# Altium PCB Penguin_Base.PcbDoc
Units mm, origin at the board's own origin, x right, y up, seen from the top; angles counter-clockwise.
Board outline 63 x 32 mm, 2 copper layers (Top Layer, Bottom Layer); 13 components, 30 nets, 72 pads, 0 vias.
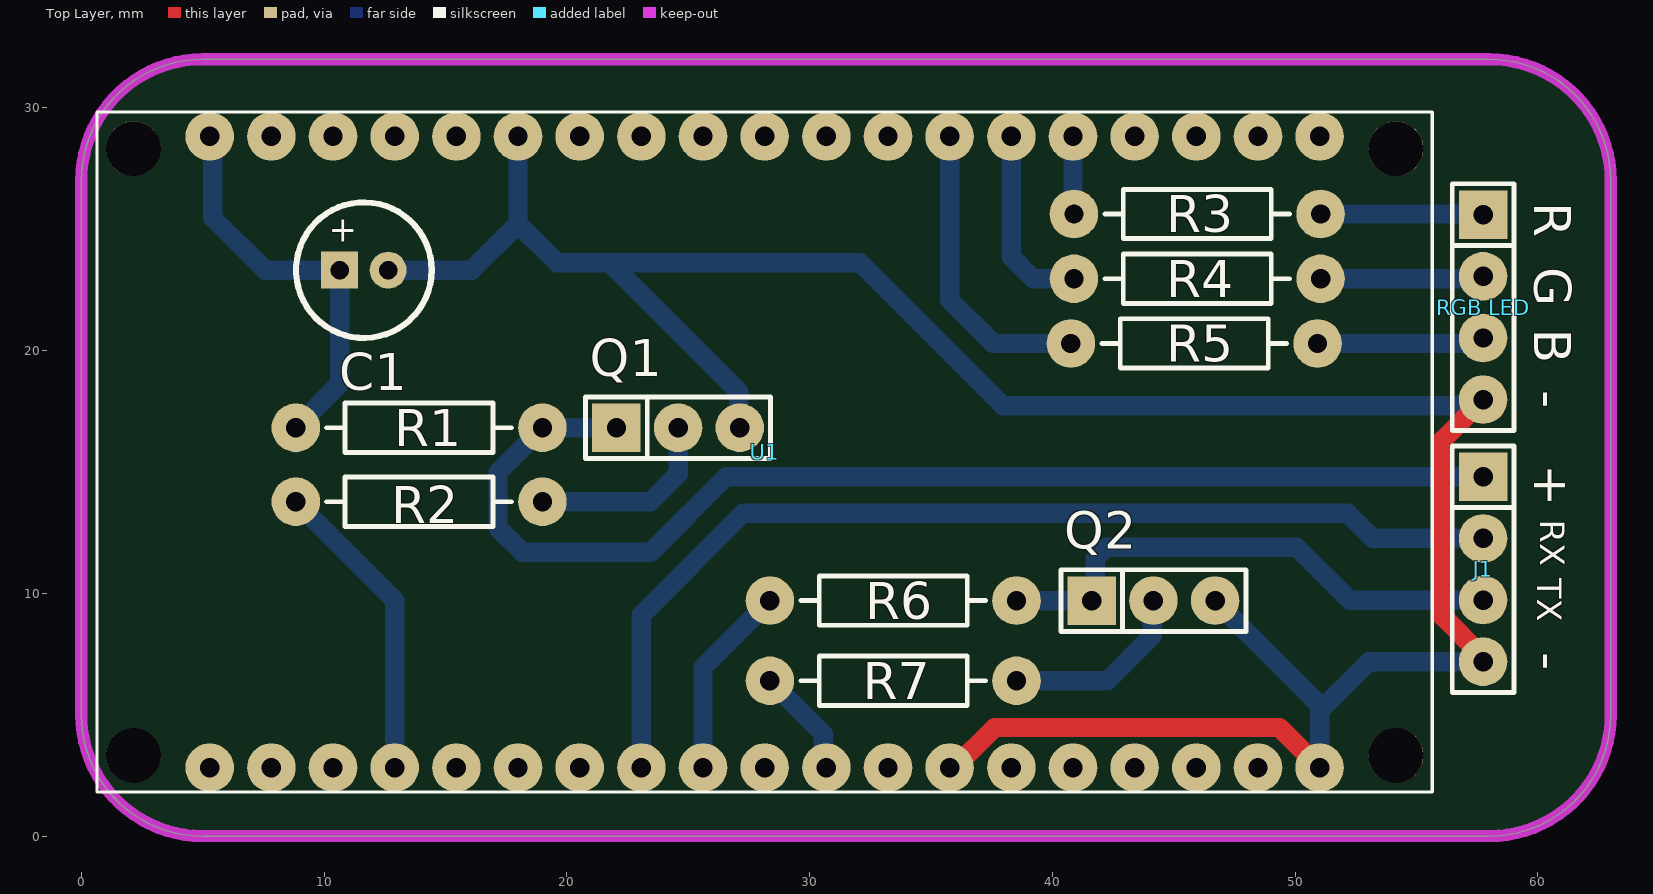
[diagram p0: Top Layer view]
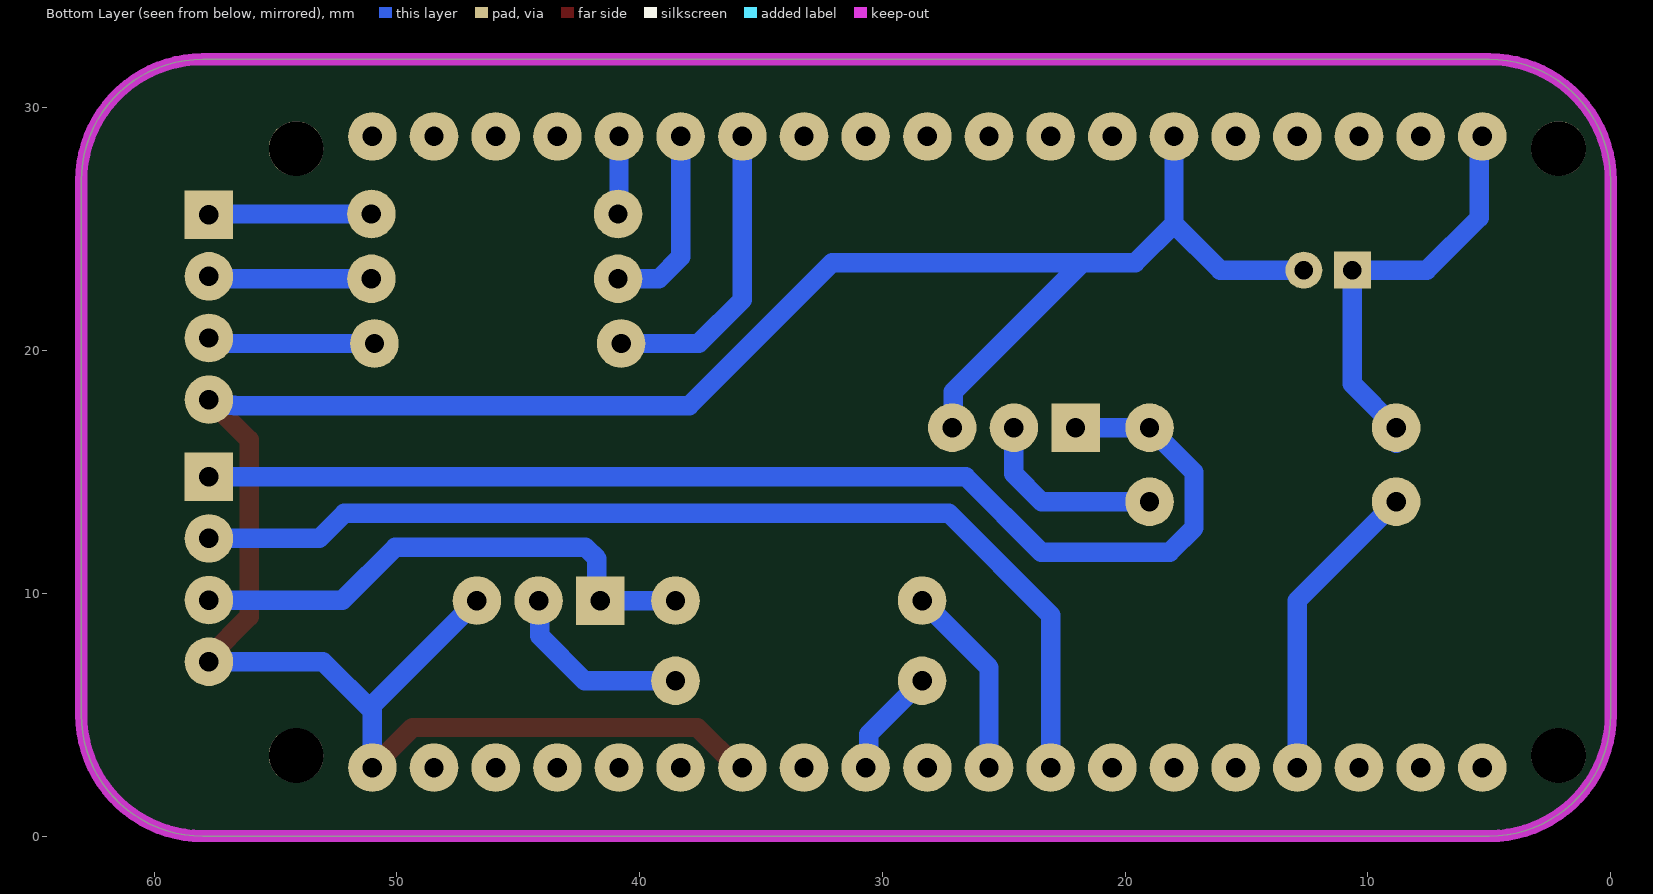
[diagram p1: Bottom Layer view, seen from below]
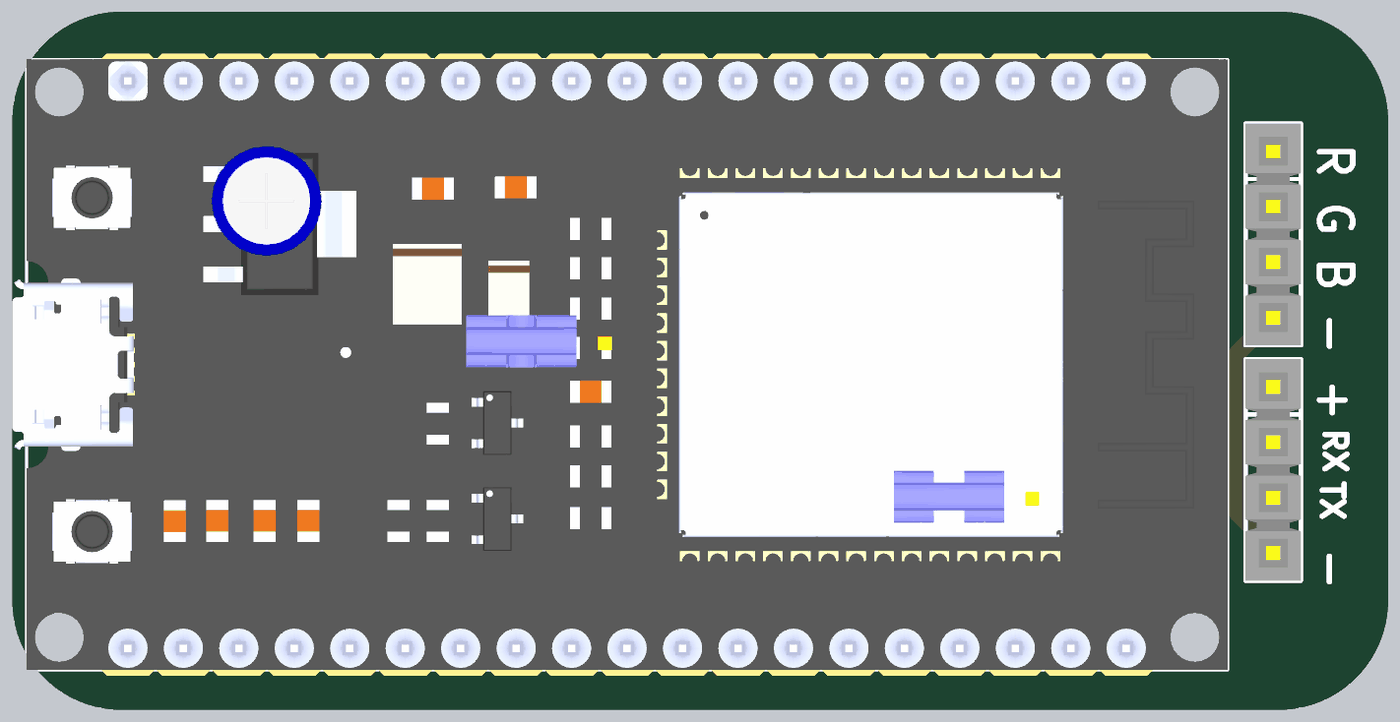
[diagram p2: 3D render of the assembled board from above, using the file's embedded part models]

## Layer stack, top to bottom
Top Solder: solder mask 0.0102, Solder Resist, Dk 3.5
Top Layer: signal copper 0.0356
Dielectric 1: dielectric 0.32, FR-4, Dk 4.8
Bottom Layer: signal copper 0.0356
Bottom Solder: solder mask 0.0102, Solder Resist, Dk 3.5

## Board outline
0,5 0,27 cw(c5,27) 5,32 58,32 cw(c58,27) 63,27 63,5 cw(c58,5) 58,0 5,0 cw(c5,5)

## Design rules (kind name [scope] priority, off if disabled: settings)
Clearance [All] p1: gap=0.254 ignorepadtopadclearanceinfootprint=TRUE except(0: Arc-Hole Track-Hole SMDPad-Hole THPad-Hole Via-Hole Fill-Hole Poly-Hole Region-Hole Text-Hole)
PolygonConnect [All] p1: connectstyle=Relief reliefconductorwidth=0.254 reliefentries=4 polygonreliefangle="90 Angle" airgapwidth=0.254
RoutingVias [All] p1: holewidth=0.711 width=1.27 viastyle="Through Hole" minholewidth=0.711 minwidth=1.27 maxholewidth=0.711 maxwidth=1.27
SolderMaskExpansion [All] p1: expansion=0.102 istentingtop=FALSE
Width [All] p1: maxlimit=1 minlimit=0.8 preferedwidth=0.8
30 further rules are at their usual default settings.

## Classes and differential pairs
component class Penguin_Base: J1 R1 R2 R3 R4 R5 R6 R7 "R  G  B   GND" "RGB LED"

## Components (designator, comment, footprint, x,y, rotation, side; value= is the part's Value field where it differs from the comment)
C1 "CAPPOL" CAP100RP 11.64,23.314 r0 top
J1 "CON4" SIP4 57.741,10.995 r270 top
Q1 "MOSFET N" JUMPER3 24.585,16.824 r0 top
Q2 "MOSFET N" JUMPER3 44.164,9.7 r0 top
R1 "10k" RES400 8.837,16.824 r0 top
R2 "820k" RES400 8.837,13.776 r0 top
R3 "220" RES400 40.89,25.627 r0 top
R4 "220" RES400 40.89,22.96 r0 top
R5 "220" RES400 40.763,20.293 r0 top
R6 "10k" RES400 28.364,9.7 r0 top
R7 "820k" RES400 28.364,6.4 r0 top
"RGB LED" "CON4" SIP4 57.741,21.79 r270 top
U1 "ESP32_NODEMCU" MODULE_ESP32_NODEMCU 28.15,15.821 r270 top

## Footprints (in the part's own frame and the unit in brackets; to place one, negate y for a bottom-side part, rotate by r counter-clockwise, add the part's x,y. Pads: shape width x height; smd on the part's side, far side on the other; paste and mask are expansions set on the pad)
CAP100RP [mil] "Body diameter 5mm"
  rect 60x60 hole 30: 1(-39.37,0)
  round 60 hole 30: 2(39.37,0)
  silkscreen extent -110,-110 110,110, body extent -99,-99 99,100, height 454
JUMPER3 [mm]
  rect 2x2 hole 0.8: 1(-2.54,0)
  round 2 hole 0.8: 2(0,0) 3(2.54,0)
  silkscreen extent -3.81,-1.27 3.81,1.27, body extent -3.81,-1.3 3.81,1.27, height 16.15
MODULE_ESP32_NODEMCU [mm]
  round 2 hole 0.8: J4_1(13,22.86) J4_2(13,20.32) J4_3(13,17.78) J4_4(13,15.24) J4_5(13,12.7) J4_6(13,10.16) J4_7(13,7.62) J4_8(13,5.08) J4_9(13,2.54) J4_10(13,0) J4_11(13,-2.54) J4_12(13,-5.08) J4_13(13,-7.62) J4_14(13,-10.16) J4_15(13,-12.7) J4_16(13,-15.24) J4_17(13,-17.78) J4_18(13,-20.32) J4_19(13,-22.86) J5_1(-13,-22.86) J5_2(-13,-20.32) J5_3(-13,-17.78) J5_4(-13,-15.24) J5_5(-13,-12.7) J5_6(-13,-10.16) J5_7(-13,-7.62) J5_8(-13,-5.08) J5_9(-13,-2.54) J5_10(-13,0) J5_11(-13,2.54) J5_12(-13,5.08) J5_13(-13,7.62) J5_14(-13,10.16) J5_15(-13,12.7) J5_16(-13,15.24) J5_17(-13,17.78) J5_18(-13,20.32) J5_19(-13,22.86)
  round 2.25 hole 2.25 unplated: ""(-12.5,26) ""(-12.5,-26) ""(12.5,26) ""(12.5,-26)
  silkscreen extent -14,-27.5 14,27.5, body extent -14.25,-28.15 14.25,27.5, height 7.05
RES400 [mm]
  round 2 hole 0.8: 1(0,0) 2(10.16,0)
  silkscreen extent 1.27,-1.02 8.89,1.02, body extent -0.3,-1.14 10.46,1.17, height 2.43
SIP4 [mm]
  rect 2x2 hole 0.8: 1(-3.81,0)
  round 2 hole 0.8: 2(-1.27,0) 3(1.27,0) 4(3.81,0)
  silkscreen extent -5.08,-1.27 5.08,1.27, body extent -5.08,-1.27 5.08,1.27, height 8.38

## Part data
R1 R2 R3 R4 R5 R6 R7: library part RES
U1: "NodeMCU is an open source loT platform. ESP32 is a series of low cost, low powersystem-on-chip (SoC) microcontrollers with integrated Wi-Fi & dual-mode Bluetooth.", Package=Package, Availability="Not in stock", Check_prices=https://www.snapeda.com/parts/ESP32%20NodeMCU/Espressif+Systems/view-part/?ref=eda, MF="Espressif Systems", MP="ESP32 NodeMCU", Price=None, SnapEDA_Link=https://www.snapeda.com/parts/ESP32%20NodeMCU/Espressif+Systems/view-part/?ref=snap

## Nets (pads, with @x,y where several pads share a name; then routed paths per layer and width w, separated by ;. In a path a pad name is that pad's centre, name@x,y a point inside that pad or via, vN(x,y) a via of type N, cw(c..) or ccw(c..) an arc to the next point about the centre after c; other vN are vias at no path point)
G2: U1.J4_15
G4: U1.J4_13
G5: U1.J4_10
G12: U1.J5_7
G13: U1.J5_5
G14: U1.J5_8
G15: R2.1 U1.J4_16 | length 12.8
  Bottom Layer w0.8: R2.1 12.91,9.703 U1.J4_16 U1.J4_16@13.037,2.948
G16: J1.2 U1.J4_12 | length 43.1
  Bottom Layer w0.8: U1.J4_12 23.07,9.106 27.264,13.3 52.164,13.3 53.199,12.265 J1.2
G17: R6.1 U1.J4_11 | length 8
  Bottom Layer w0.8: U1.J4_11 25.61,6.946 R6.1
G18: R7.1 U1.J4_9 | length 4.5
  Bottom Layer w0.8: R7.1 30.561,4.203 30.561,2.95 U1.J4_9
G19: U1.J4_8
G21: U1.J4_6
G22: U1.J4_3
G23: U1.J4_2
G25: U1.J5_11
G26: U1.J5_10
G27: U1.J5_9
G32: R5.1 U1.J5_13 | length 12.5
  Bottom Layer w0.8: U1.J5_13 35.77,22.094 37.571,20.293 R5.1
G33: U1.J5_12
G34: R3.1 U1.J5_15 | length 3.2
  Bottom Layer w0.8: U1.J5_15 40.85,25.667 R3.1
G35: R4.1 U1.J5_14 | length 7.9
  Bottom Layer w0.8: U1.J5_14 38.31,23.854 39.204,22.96 R4.1
GND: "RGB LED.4" C1.2 J1.4 Q1.3 Q2.3 U1.J4_1 U1.J4_7 U1.J5_6 | length 106.5
  Top Layer w0.8: U1.J4_7@35.971,2.821 37.625,4.475 49.356,4.475 U1.J4_1 ; J1.4 57.741,7.386 56.087,9.04 56.087,16.326 57.741,17.98
  Bottom Layer w0.8: C1.2 16.085,23.314 17.99,25.219 ; U1.J5_6 17.99,25.219 ; Q1.3@27.118,16.819 Q1.3@27.125,16.812 ; Q1.3 27.088,16.861 27.088,18.298 21.764,23.622 ; Q2.3 51.01,5.394 51.01,5.153 ; U1.J4_1 51.01,5.153 ; J1.4 53.042,7.185 51.01,5.153 ; 57.741,17.98 57.511,17.75 56.697,17.75 56.672,17.726 37.964,17.726 32.068,23.622 21.764,23.622 ; 17.99,25.219 19.587,23.622 21.764,23.622
NetC1_1: C1.1 R1.1 U1.J5_1 | length 17.2
  Bottom Layer w0.8: U1.J5_1 5.417,28.694 5.417,25.473 7.576,23.314 C1.1 10.64,18.627 R1.1 ; R1.1@8.519,16.506 R1.1@8.837,16.189
NetJ1_1: J1.1 Q1.1 R1.2 | length 50.2
  Bottom Layer w0.8: Q1.1 R1.2 17.164,14.991 17.164,12.7 18.164,11.7 23.464,11.7 26.569,14.805 J1.1
NetJ1_3: J1.3 Q2.1 R6.2 | length 22
  Bottom Layer w0.8: R6.2 Q2.1 41.764,9.84 41.764,11.431 42.233,11.9 50.064,11.9 52.239,9.725 J1.3
NetQ1_1: Q1.2 R2.2 | length 8
  Bottom Layer w0.8: R2.2 23.442,13.776 24.585,14.919 Q1.2
NetQ2_1: Q2.2 R7.2 | length 7.8
  Bottom Layer w0.8: R7.2 42.264,6.4 44.108,8.244 44.108,9.644 Q2.2
NetR3_2: "RGB LED.1" R3.2 | length 6.9
  Bottom Layer w0.8: R3.2@51.177,25.5 R3.2 57.714,25.627 57.741,25.6
NetR4_2: "RGB LED.2" R4.2 | length 6.7
  Bottom Layer w0.8: R4.2 57.641,22.96 57.741,23.06
NetR5_2: "RGB LED.3" R5.2 | length 6.9
  Bottom Layer w0.8: R5.2 57.514,20.293 57.741,20.52
pads on no net: U1. U1.J4_4 U1.J4_5 U1.J4_14 U1.J4_17 U1.J4_18 U1.J4_19 U1.J5_2 U1.J5_3 U1.J5_4 U1.J5_16 U1.J5_17 U1.J5_18 U1.J5_19

## Keep-outs
Keep-Out Layer:
  the board outline again, w0.5

## Silkscreen, mask and mechanical layers (free items; w line width, h text height)
Top Overlay:
  text "R" at 59.846,26.108 h1.52 r270
  text "G" at 59.846,23.441 h1.52 r270
  text "B" at 59.846,20.901 h1.52 r270
  text "-" at 59.719,18.361 h1.52 r270
  text "+" at 59.846,15.313 h1.52 r270
  text "RX" at 60.1,13.027 h1 r270
  text "TX" at 59.973,10.614 h1 r270
  text "-" at 59.719,7.566 h1.52 r270

## Text inside footprints (layer, text, board x,y; h text height)
C1: Top Overlay "+" at 10.192,24.482 h1.02